# Altium PCB 400708.PcbDoc (part 1 of 4) (continued)
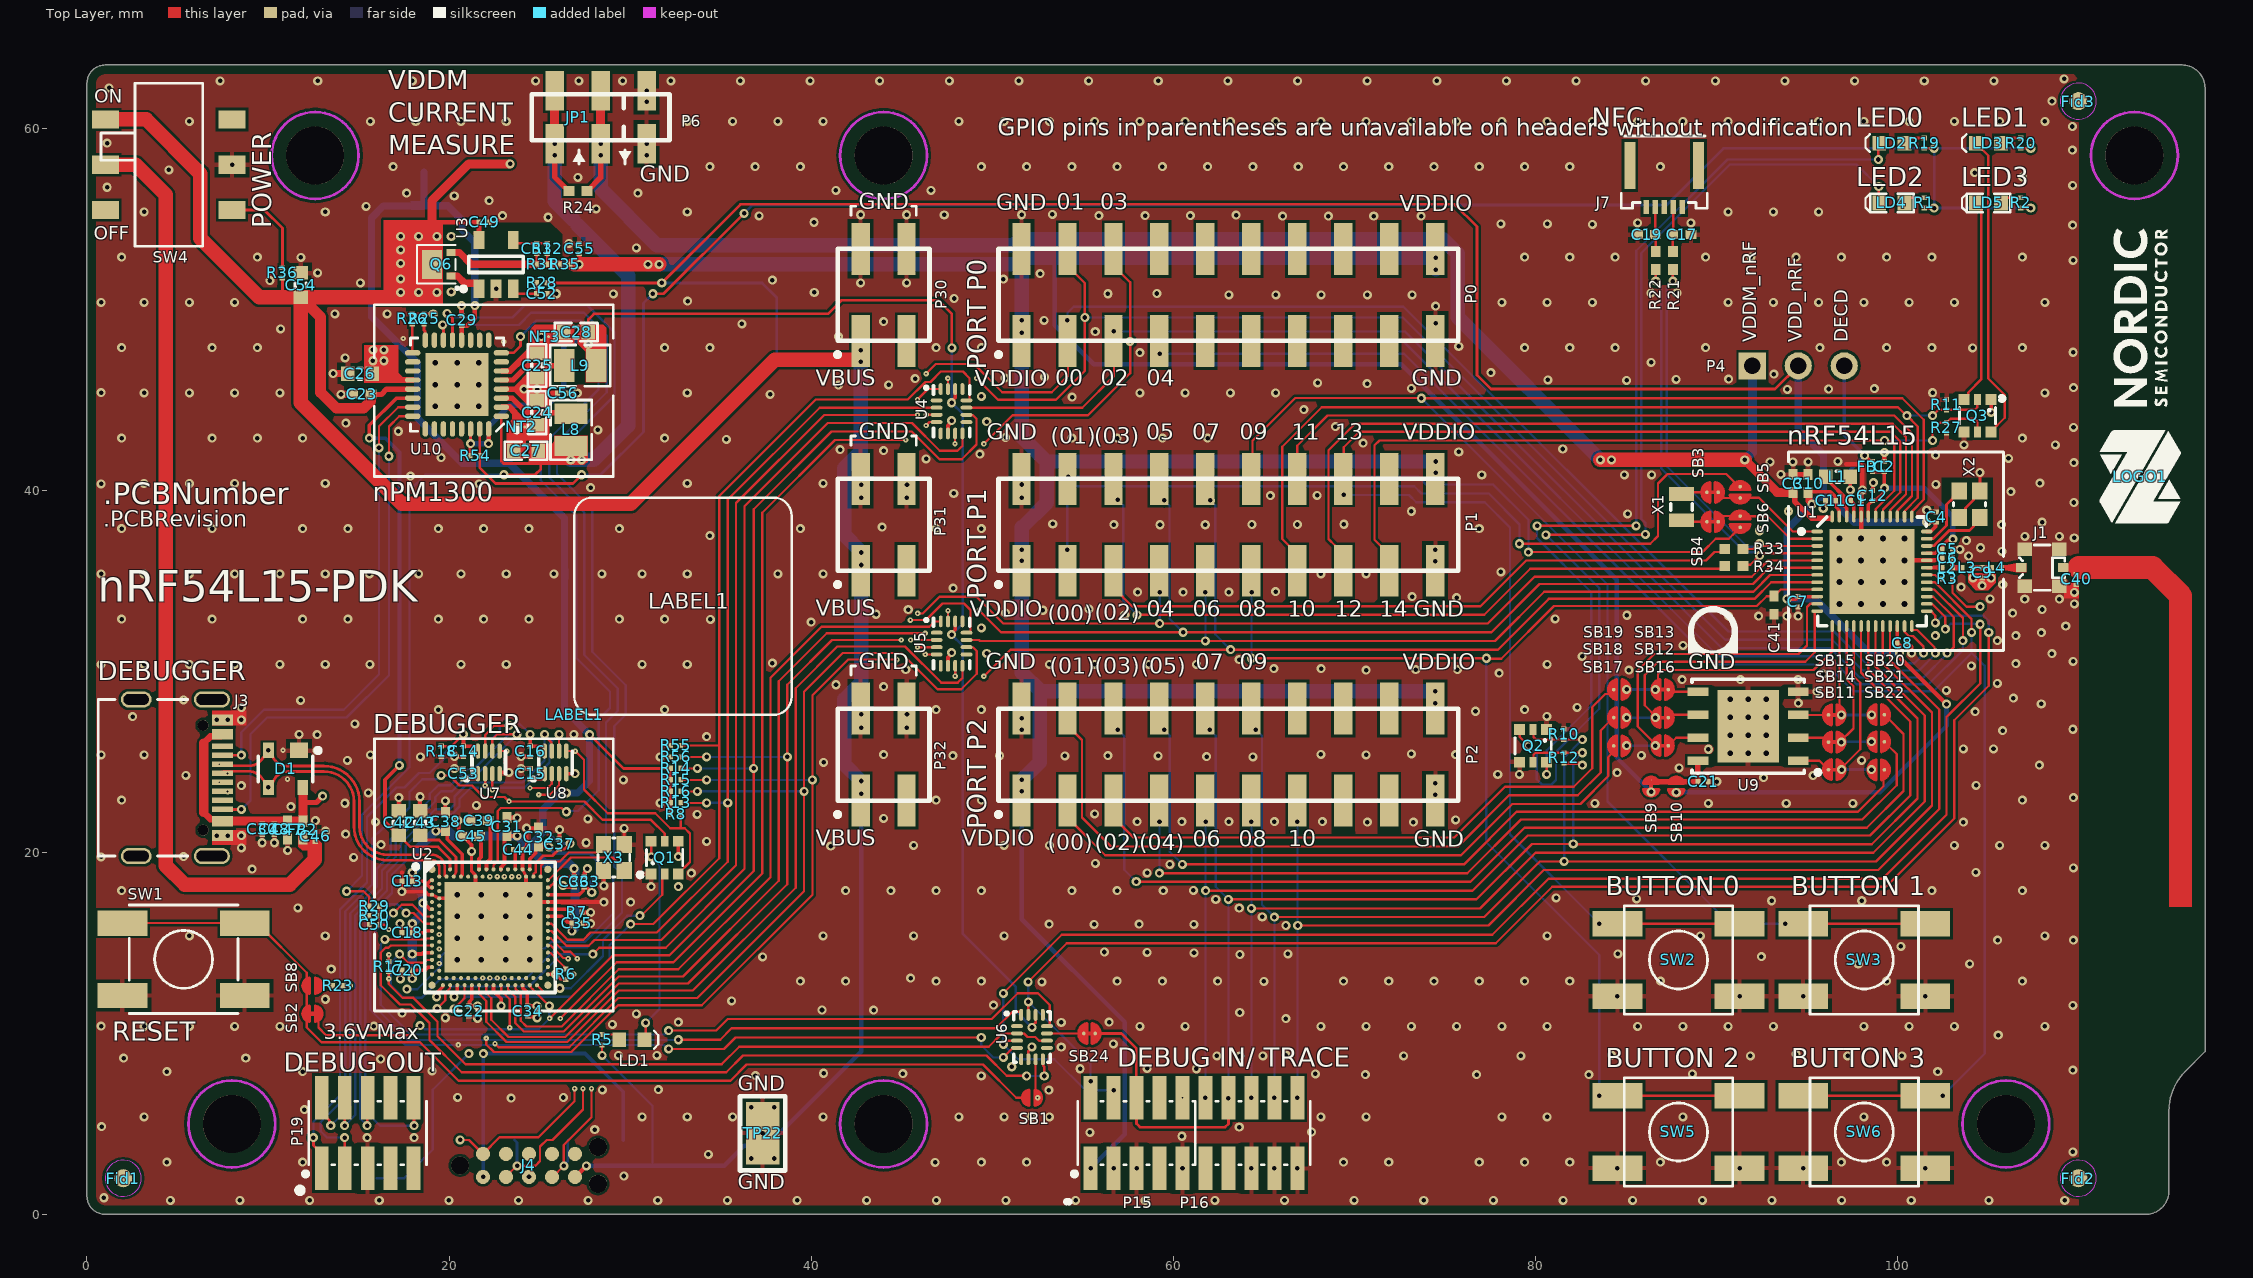
[diagram p0: Top Layer view]
## Design rules (kind name [scope] priority, off if disabled: settings) (continued)
SolderMaskExpansion SolderMaskExpansion_VIA [IsVia] p2: expansion=0.076 istentingtop=TRUE
SolderMaskExpansion [All] p3: expansion=0.076 istentingtop=FALSE
SupplyNets "Schematic Supply Nets_12" [InNet('P5V0')] p1: voltage=0.000
SupplyNets "Schematic Supply Nets_11" [InNet('GND')] p2: voltage=0.000
SupplyNets "Schematic Supply Nets_10" [InNet('VDDM_nRF')] p3: voltage=0.000
SupplyNets "Schematic Supply Nets_9" [InNet('VDDIO')] p4: voltage=0.000
SupplyNets "Schematic Supply Nets_8" [InNet('VDD_SWD0')] p5: voltage=0.000
SupplyNets "Schematic Supply Nets_7" [InNet('P3V3')] p6: voltage=0.000
SupplyNets "Schematic Supply Nets_6" [InNet('VDD_nRF')] p7: voltage=0.000
SupplyNets "Schematic Supply Nets_5" [InNet('VDD_DBGR')] p8: voltage=0.000
SupplyNets "Schematic Supply Nets_4" [InNet('PVSS2')] p9: voltage=0.000
SupplyNets "Schematic Supply Nets_3" [InNet('PVSS1')] p10: voltage=0.000
SupplyNets "Schematic Supply Nets_2" [InNet('VBUSOUT')] p11: voltage=0.000
SupplyNets "Schematic Supply Nets_1" [InNet('VDDM')] p12: voltage=0.000
SupplyNets "Schematic Supply Nets" [InNet('VBUS')] p13: voltage=0.000
Width Width_IMCU [OnTopLayer and HasFootprint('BGA144C35P12X12_450X420X100-A8-M3')] p1: maxlimit=2.5 minlimit=0.1 preferedwidth=0.15
Width [All] p2: maxlimit=2.5 minlimit=0.125 preferedwidth=0.15
15 further rules are at their usual default settings.

## Classes and differential pairs
differential pair class IMCU: DBGR
net class TRACE: P2.06 P2.07 P2.08 P2.09 P2.10
net class RF_50ohm: RF
net class IMCU_USB: DBGR_N DBGR_P
component class "Power supply": C23 C24 C25 C26 C27 C28 C29 C49 C51 C52 C55 C56 JP1 L8 L9 NT2 NT3 P6 Q6 R24 R25 R26 R28 R31 R32 R35 R54 TP8 TP9 TP10 TP11 TP12 TP13 TP14 TP15 U3 U10
component class "Levelshifters and switches": C14 C15 C16 C53 R8 R13 R14 R15 R16 R17 R18 R55 R56 SB24 U4 U5 U6 U7 U8
component class nRF54L15: C1 C2 C3 C4 C5 C6 C7 C8 C9 C10 C11 C12 C40 C41 FB1 J1 L1 L2 L3 L4 P4 R3 R33 R34 SB3 SB4 SB5 SB6 SB11 SB12 SB13 SB14 SB15 SB16 SB17 SB18 SB19 SB20 SB21 SB22 TP1 TP2 U1 X1 X2
component class Debugger: C13 C18 C20 C22 C31 C32 C33 C34 C35 C36 C37 C38 C39 C42 C43 C44 C45 C50 J4 LD1 NT4 Q1 R5 R6 R7 R29 R30 TP3 TP4 TP5 TP6 TP7 U2 X3
component class Misc: C17 C19 C21 LD2 LD3 LD4 LD5 Q2 Q3 R1 R2 R10 R11 R12 R19 R20 R21 R22 R23 R27 SB8 SB9 SB10 SW1 SW2 SW3 SW5 SW6 U9
component class Connectors: C30 C46 C47 C48 C54 D1 FB2 J3 J7 P0 P1 P2 P15 P16 P19 P30 P31 P32 R36 SW4 TP16 TP17 TP18 TP22
component class pca10156_sheet1_connections: Fid1 Fid2 Fid3 LABEL1 LOGO1 LOGO2 SB1 SB2
differential pair DBGR: +DBGR_P -DBGR_N

## Components (designator, comment, footprint, x,y, rotation, side; value= is the part's Value field where it differs from the comment)
C1 "2.2µF" CAPC0603X03L_C 97.72,39.439 r180 top
C2 "2.2µF" CAPC0603X03L_C 99.294,41.317 r270 top
C3 "10µF" CAPC1005X04L 94.239,40.377 r270 top
C4 "100nF" CAPC0603X03L_C 102.164,38.523 r90 top
C5 "18pF" CAPC0603X03L_C 102.773,36.745 r180 top
C6 "0.9pF" CAPC0603X03L_C 102.775,36.247 r0 top
C7 "100nF" CAPC0603X03L_C 94.518,33.849 r270 top
C8 "100nF" CAPC0603X03L_C 100.284,31.568 r0 top
C9 "0.6pF" CAPC0603X03L_C 104.688,35.445 r90 top
C10 "10µF" CAPC1005X04L 95.077,40.377 r270 top
C11 "100nF" CAPC0603X03L_C 96.322,39.437 r180 top
C12 "10nF" CAPC0603X03L_C 98.633,39.717 r90 top
C13 "100nF" CAPC0603X03L_C 17.689,18.401 r180 top
C14 "100nF" CAPC0603X03L_C 20.798,25.585 r270 top
C15 "100nF" CAPC0603X03L_C 24.481,24.349 r270 top
C16 "100nF" CAPC0603X03L_C 24.481,25.585 r270 top
C17 "300pF" CAPC1005X04L 88.104,54.123 r0 top
C18 "100nF" CAPC0603X03L_C 17.689,15.573 r180 top
C19 "300pF" CAPC1005X04L 86.152,54.123 r0 top
C20 "100nF" CAPC0603X03L_C 17.689,13.499 r180 top
C21 "100nF" CAPC0603X03L_C 89.275,23.902 r0 top
C22 "100nF" CAPC0603X03L_C 21.092,11.239 r270 top
C23 "2.2µF" CAPC1005X04L 15.184,45.313 r0 top
C24 "10µF" CAPC1608X06L 24.867,44.296 r90 top locked
C25 "10µF" CAPC1608X06L 24.867,46.896 r270 top locked
C26 "10µF" CAPC1608X06L 15.082,46.456 r0 top
C27 "10µF" CAPC1608X06L 24.249,42.186 r0 top locked
C28 "10µF" CAPC1608X06L 27.02,48.742 r0 top locked
C29 "100nF" CAPC0603X03L_C 20.699,49.386 r90 top
C30 "10nF" CAPC0603X03L_C 9.679,21.275 r270 top
C31 "1.0µF" CAPC1005X04L 23.2,21.424 r90 top
C32 "1.0µF" CAPC1005X04L 24.953,20.84 r270 top
C33 "2.2nF" CAPC0603X03L_C 27.459,18.376 r90 top
C34 "100nF" CAPC0603X03L_C 24.343,11.239 r270 top
C35 "100nF" CAPC0603X03L_C 27.068,16.078 r0 top
C36 "100nF" CAPC0603X03L_C 26.909,18.376 r270 top
C37 "100nF" CAPC0603X03L_C 26.096,20.459 r90 top
C38 "1.0µF" CAPC1005X04L 19.797,21.703 r270 top
C39 "1.0µF" CAPC1005X04L 21.651,21.754 r0 top
C40 "1.4pF" CAPC0603X03L_C 109.88,35.08 r90 top
C41 "100nF" CAPC1005X04L 93.186,33.655 r90 top
C42 "4.7µF" CAPC1608X06L 17.231,21.627 r90 top
C43 "4.7µF" CAPC1608X06L 18.4,21.627 r90 top
C44 "100nF" CAPC0603X03L_C 23.835,20.154 r0 top
C45 "1.0µF" CAPC1005X04L 21.194,20.891 r0 top
C46 "100nF" CAPC0603X03L_C 12.604,20.885 r270 top
C47 "1.0µF" CAPC1005X04L 11.079,21.25 r90 top
C48 "100nF" CAPC0603X03L_C 10.354,21.275 r90 top
C49 "100nF" CAPC0603X03L_C 21.934,54.811 r0 top
C50 "10nF" CAPC0603X03L_C 15.879,16.002 r180 top
C51 "TBD" CAPC0603X03L_C 24.849,53.361 r270 top
C52 "100nF" CAPC0603X03L_C 25.124,50.861 r0 top
C53 "100nF" CAPC0603X03L_C 20.798,24.349 r270 top
C54 "4.7µF" CAPC1608X06L 11.815,51.336 r90 top
C55 "100nF" CAPC0603X03L_C 27.187,53.361 r90 top
C56 "100nF" CAPC0603X03L_C 26.286,45.365 r180 top
D1 "PRTR5V0U2X" SOT190P230X110-4L 10.972,24.609 r270 top
FB1 "120R/0.2A" INDC0603X03L_C 98.633,41.317 r270 top
FB2 "120R/0.55A" INDC1005X04L 11.929,21.25 r270 top
Fid1 "Fiducial mark" Fiducial 2.004,2 r0 top value=N.A.
Fid2 "Fiducial mark" Fiducial 110.004,2 r0 top locked value=N.A.
Fid3 "Fiducial mark" Fiducial 110.004,61.5 r0 top locked value=N.A.
J1 "MM8130-2600" COAXIAL-SWF 108.005,35.73 r90 top locked
J3 "USB-C 2.0" SD-80259-001 5.104,24.125 r270 top locked
J4 "TC2050-IDC" TC2050-IDC-NLFP 24.418,2.709 r0 top locked
J7 "FPC 0.5mm RA SMD" FPC_05P-0.5mm-RA-SMD 88.129,55.654 r180 top locked
JP1 "Shunt 2.54mm" Shunt_2.54mm_Vertical 27.113,60.625 r180 top
L1 "4.7µH" INDC1608X06L 96.728,40.758 r180 top
L2 "1.6nH" INDC0603X03L_C 102.773,35.73 r0 top
L3 "3.5nH" INDC0603X03L_C 103.877,35.73 r0 top
L4 "1.2nH" INDC0603X03L_C 105.485,35.73 r0 top
L8 "2.2µH" INDC2016X10N 26.749,43.336 r90 top locked
L9 "2.2µH" INDC2016X10N 27.249,46.887 r180 top locked
LABEL1 "12x12mm" LabelSilk_12x12 26.925,27.6 r0 top
LD1 "L0603G" LED_0603_G 30.103,9.652 r180 top
LD2 "L0603G" LED_0603_G 99.709,59.182 r0 top
LD3 "L0603G" LED_0603_G 105.043,59.182 r0 top
LD4 "L0603G" LED_0603_G 99.709,55.88 r0 top locked
LD5 "L0603G" LED_0603_G 105.043,55.88 r0 top locked
LOGO1 "Nordic Logo" NORDIC_LOGO_LYING 113.429,40.75 r90 top
LOGO2 "WEE Symbol" WEE_3x4.5mm 2.425,58.1 r0 bottom
NT2 "Net tie" "2 PIN STARPOINT" 23.983,43.502 r180 top net-tie
NT3 "Net tie" "2 PIN STARPOINT" 25.295,48.496 r180 top net-tie
NT4 "N.A." "2 pin starpoint 20mil" 18.241,55.733 r180 bottom net-tie
P0 "Pin Hdr 2x10" HDR_2x10-SMD 63.054,50.8 r0 top locked
P1 "Pin Hdr 2x10" HDR_2x10-SMD 63.054,38.1 r0 top locked
P2 "Pin Hdr 2x10" HDR_2x10-SMD 63.054,25.4 r0 top locked
P4 "Pin List 1x3" LIST_1x3 94.535,46.88 r0 top locked
P6 "Pin List 1x3" LIST_1x3_SMD 30.912,60.606 r180 top locked
P15 "Pin Header 2x5, 1.27mm" HDR_2x5-SMD-1.27mm-K 57.978,4.5 r0 top locked
P16 "Pin Header 2x10, 1.27mm" HDR_2x10-SMD-1.27mm-NC 61.153,4.5 r0 top locked
P19 "Pin Header 2x5, 1.27mm" HDR_2x5-SMD-1.27mm-K 15.504,4.5 r0 top locked
P30 "Pin Header 2x2 SMD" HDR_2x2-SMD 44.004,50.8 r0 top locked
P31 "Pin Header 2x2 SMD" HDR_2x2-SMD 44.004,38.1 r0 top locked
P32 "Pin Header 2x2 SMD" HDR_2x2-SMD 44.004,25.4 r0 top locked
Q1 "NX138AKS" TSSOP6 31.915,19.715 r0 top
Q2 "NX138AKS" TSSOP6 79.884,25.885 r180 top
Q3 "NX138AKS" TSSOP6 104.435,44.13 r180 top
Q6 "PBSS4330PA" DFN105P200X65-3N_v2 19.299,52.486 r180 top locked
R1 "220R" RESC0603X03L_C 101.487,55.88 r270 top
R2 "220R" RESC0603X03L_C 106.821,55.88 r270 top
R3 "4k7" RESC0603X03L_C 102.775,35.125 r0 top
R5 "560R" RESC0603X03L_C 28.452,9.652 r270 top
R6 "100k" RESC0603X03L_C 26.46,13.271 r270 top
R7 "47R" RESC0603X03L_C 27.06,16.687 r0 top
R8 "100k" RESC0603X03L_C 32.516,22.098 r180 top
R10 "1M0" RESC0603X03L_C 81.585,26.524 r90 top
R11 "1M0" RESC0603X03L_C 102.723,44.734 r90 top
R12 "1M0" RESC0603X03L_C 81.592,25.221 r270 top
R13 "100k" RESC0603X03L_C 32.516,22.733 r0 top
R14 "100k" RESC0603X03L_C 32.516,24.638 r0 top
R15 "100k" RESC0603X03L_C 32.516,24.003 r0 top
R16 "100k" RESC0603X03L_C 32.516,23.368 r0 top
R17 "100k" RESC0603X03L_C 16.668,13.696 r270 top
R18 "1M0" RESC0603X03L_C 19.573,25.585 r90 top
R19 "220R" RESC0603X03L_C 101.487,59.182 r270 top
R20 "220R" RESC0603X03L_C 106.821,59.182 r270 top
R21 "0R" RESC1005X04L 87.604,52.704 r90 top
R22 "0R" RESC1005X04L 86.661,52.704 r90 top
R23 "100k" RESC0603X03L_C 13.854,12.634 r0 top
R24 "TBD" RESC1005X04L 27.125,56.55 r180 top
R25 "270k" RESC0603X03L_C 18.619,49.468 r90 top
R26 "47k" RESC0603X03L_C 17.973,49.468 r90 top
R27 "1M0" RESC0603X03L_C 102.723,43.455 r270 top
R28 "33k" RESC0603X03L_C 25.124,51.461 r180 top
R29 "18k" RESC0603X03L_C 15.879,17.018 r180 top
R30 "18k" RESC0603X03L_C 15.879,16.51 r0 top
R31 "0R" RESC0603X03L_C 25.124,52.486 r0 top
R32 "0R" RESC0603X03L_C 25.424,53.361 r270 top
R33 "0R" RESC1005X04L 90.974,36.755 r180 top
R34 "0R" RESC1005X04L 90.974,35.83 r180 top
R35 "0R" RESC0603X03L_C 26.399,52.486 r0 top
R36 "1k" RESC0603X03L_C 10.799,52.011 r270 top
R54 "0R" RESC0603X03L_C 21.449,41.911 r180 top
R55 "100k" RESC0603X03L_C 32.516,25.908 r180 top
R56 "100k" RESC0603X03L_C 32.516,25.273 r180 top
SB1 "Solderbridge" Solderbridge 52.205,6.45 r180 top
SB2 "Solderbridge" Solderbridge_Shorted 12.45,11.089 r0 top net-tie
SB3 "Solderbridge" Solderbridge_SHORTED_0.4 89.8,39.893 r180 top net-tie
SB4 "Solderbridge" Solderbridge_SHORTED_0.4 89.8,38.267 r180 top net-tie
SB5 "Solderbridge" Solderbridge_0.4 91.324,39.893 r90 top
SB6 "Solderbridge" Solderbridge_0.4 91.324,38.267 r270 top
SB8 "Solderbridge" Solderbridge 12.45,12.635 r0 top
SB9 "Solderbridge" Solderbridge_Shorted 86.405,23.648 r90 top net-tie
SB10 "Solderbridge" Solderbridge 87.793,23.638 r90 top
SB11 "Solderbridge" Solderbridge_SHORTED_0.4 96.516,24.571 r180 top net-tie
SB12 "Solderbridge" Solderbridge_SHORTED_0.4 87.041,27.446 r0 top net-tie
SB13 "Solderbridge" Solderbridge_SHORTED_0.4 87.041,28.996 r0 top net-tie
SB14 "Solderbridge" Solderbridge_SHORTED_0.4 96.516,26.096 r180 top net-tie
SB15 "Solderbridge" Solderbridge_SHORTED_0.4 96.516,27.596 r180 top net-tie
SB16 "Solderbridge" Solderbridge_SHORTED_0.4 87.041,25.896 r0 top net-tie
SB17 "Solderbridge" Solderbridge_0.4 84.652,25.884 r0 top
SB18 "Solderbridge" Solderbridge_0.4 84.652,27.453 r0 top
SB19 "Solderbridge" Solderbridge_0.4 84.652,28.996 r0 top
SB20 "Solderbridge" Solderbridge_0.4 98.978,27.61 r180 top
SB21 "Solderbridge" Solderbridge_0.4 98.978,26.111 r180 top
SB22 "Solderbridge" Solderbridge_0.4 98.978,24.562 r180 top
SB24 "Solderbridge" Solderbridge_SHORTED_0.4 55.379,9.998 r0 top net-tie
SW1 "PB SW" Switch-PB-6.2x6.3mm-SMD 5.338,14.097 r180 top
SW2 "PB SW" Switch-PB-6.2x6.3mm-SMD 87.918,14.058 r180 top locked
SW3 "PB SW" Switch-PB-6.2x6.3mm-SMD 98.179,14.058 r180 top locked
SW4 "MK-22D14-G2" MK-22D14-G2 4.521,57.988 r270 top locked
SW5 "PB SW" Switch-PB-6.2x6.3mm-SMD 87.918,4.558 r180 top locked
SW6 "PB SW" Switch-PB-6.2x6.3mm-SMD 98.179,4.558 r180 top locked
TP1 "Ø1.5mm,SMD" TP_SMD_D1.5mm 38.104,47.219 r90 bottom locked
TP2 "Ø1.5mm,SMD" TP_SMD_D1.5mm 100.339,40.093 r180 bottom locked
TP3 "Ø1.5mm,SMD" TP_SMD_D1.5mm 29.62,4.115 r180 bottom locked
TP4 "Ø1.5mm,SMD" TP_SMD_D1.5mm 20.616,4.115 r180 bottom locked
TP5 "Ø1.5mm,SMD" TP_SMD_D1.5mm 23.616,4.115 r180 bottom locked
TP6 "Ø1.5mm,SMD" TP_SMD_D1.5mm 26.616,4.115 r180 bottom locked
TP7 "Ø1.5mm,SMD" TP_SMD_D1.5mm 16.004,2 r90 bottom locked
TP8 "Ø1.5mm,SMD" TP_SMD_D1.5mm 23.372,58.039 r270 bottom locked
TP9 "Ø1.5mm,SMD" TP_SMD_D1.5mm 26.877,54.915 r270 bottom locked
TP10 "Ø1.5mm,SMD" TP_SMD_D1.5mm 26.334,48.26 r180 bottom locked
TP11 "Ø1.5mm,SMD" TP_SMD_D1.5mm 18.622,57.582 r0 bottom locked
TP12 "Ø1.5mm,SMD" TP_SMD_D1.5mm 10.693,48.92 r90 bottom locked
TP13 "Ø1.5mm,SMD" TP_SMD_D1.5mm 45.496,13.056 r90 bottom locked
TP14 "Ø1.5mm,SMD" TP_SMD_D1.5mm 9.25,31.75 r90 bottom locked
TP15 "Ø1.5mm,SMD" TP_SMD_D1.5mm 36.174,49.2 r90 bottom locked
TP16 "Ø1.5mm,SMD" TP_SMD_D1.5mm 13.263,23.571 r180 bottom locked
TP17 "Ø1.5mm,SMD" TP_SMD_D1.5mm 10.24,26.115 r180 bottom locked
TP18 "Ø1.5mm,SMD" TP_SMD_D1.5mm 10.24,23.113 r180 bottom locked
TP22 "TP" S1751 37.323,4.494 r270 top locked
U1 "nRF54L15-QFAABB0" QFN40P600X600X90-48N 98.605,35.53 r0 top locked
U2 "nRF5340-QKAA" AQFN40P700X700X85_HS-99N 22.26,15.864 r0 top locked
U3 "TLV271" SOT95P280X145-5N 22.599,52.486 r90 top locked
U4 "FSA2466UMX" XQFN40P180X260X50-16N 47.76,44.371 r0 top
U5 "FSA2466UMX" XQFN40P180X260X50-16N 47.764,31.536 r0 top
U6 "FSA2466UMX" XQFN40P180X260X50-16N 52.204,9.8 r0 top locked
U7 "TXB0302" XFDFN40P180X120X40-8M 22.195,24.974 r90 top locked
U8 "TXB0302" XFDFN40P180X120X40-8M 25.878,24.974 r90 top locked
U9 "MX25R6435F" SON127P600X80_HS-9N 91.766,26.971 r180 top locked
U10 "nPM1300-QEAAC0" Nordic_QFN50P500X500X90-33N 20.442,45.846 r180 top locked
X1 "32.768kHz" XTAL_2012 88.081,39.074 r90 top
X2 "32MHz" BT-XTAL_2016 103.993,39.234 r90 top
X3 "32MHz" BT-XTAL_2016 29.106,19.719 r90 top locked

## Footprints (in the part's own frame and the unit in brackets; to place one, negate y for a bottom-side part, rotate by r counter-clockwise, add the part's x,y. Pads: shape width x height; smd on the part's side, far side on the other; paste and mask are expansions set on the pad)
"2 PIN STARPOINT" [mil]
  round 6 smd paste-196.85 mask-196.85: 1(8,0) 2(-8,0)
  Top Layer region: -8,-3 8,-3 8,3 -8,3
"2 pin starpoint 20mil" [mil]
  round 20 smd paste-196.85 mask-196.85: 1(15,0) 2(-15,0)
  Top Layer region: -15,10 15,10 15,-10 -15,-10
AQFN40P700X700X85_HS-99N [mm] "AQFN, 98-Leads, Body 7.00x7.00mm, Pitch 0.40mm, Thermal Pad 5.4x5.0mm, IPC Medium Density"
  rect 5.4x5 smd paste-5: 104(0.2,0)
  round 0.4 smd paste+0.012: A1(-3.2,3.2) A31(3.2,3.2) AL1(-3.2,-3.2) AL31(3.2,-3.2)
  round 0.225 smd paste+0.012: A5(-2.2,3.2) A13(-0.6,3.2) A15(-0.2,3.2) A17(0.2,3.2) A19(0.6,3.2) A21(1,3.2) A23(1.4,3.2) A25(1.8,3.2) A27(2.2,3.2) AA1(-3.2,-1) AA31(3.2,-1) AB2(-2.8,-1.2) AC1(-3.2,-1.4) AC31(3.2,-1.4) AD2(-2.8,-1.6) AE1(-3.2,-1.8) AE31(3.2,-1.8) AF2(-2.8,-2) AG1(-3.2,-2.2) AG31(3.2,-2.2) AH2(-2.8,-2.4) AJ1(-3.2,-2.6) AJ31(3.2,-2.6) AK2(-2.8,-2.8) AK4(-2.4,-2.8) AK6(-2,-2.8) AK8(-1.6,-2.8) AK10(-1.2,-2.8) AK12(-0.8,-2.8) AK14(-0.4,-2.8) AK16(0,-2.8) AK18(0.4,-2.8) AK20(0.8,-2.8) AK22(1.2,-2.8) AK24(1.6,-2.8) AK26(2,-2.8) AK28(2.4,-2.8) AK30(2.8,-2.8) AL3(-2.6,-3.2) AL5(-2.2,-3.2) AL7(-1.8,-3.2) AL9(-1.4,-3.2) AL11(-1,-3.2) AL13(-0.6,-3.2) AL15(-0.2,-3.2) AL17(0.2,-3.2) AL19(0.6,-3.2) AL21(1,-3.2) AL23(1.4,-3.2) AL25(1.8,-3.2) AL27(2.2,-3.2) AL29(2.6,-3.2) B2(-2.8,2.8) B4(-2.4,2.8) B6(-2,2.8) B8(-1.6,2.8) B10(-1.2,2.8) B12(-0.8,2.8) B14(-0.4,2.8) B16(0,2.8) B18(0.4,2.8) B20(0.8,2.8) B22(1.2,2.8) B24(1.6,2.8) B26(2,2.8) B28(2.4,2.8) B30(2.8,2.8) C1(-3.2,2.6) C31(3.2,2.6) D2(-2.8,2.4) E1(-3.2,2.2) E31(3.2,2.2) F2(-2.8,2) G1(-3.2,1.8) G31(3.2,1.8) H2(-2.8,1.6) J1(-3.2,1.4) J31(3.2,1.4) K2(-2.8,1.2) L1(-3.2,1) L31(3.2,1) M2(-2.8,0.8) N1(-3.2,0.6) N31(3.2,0.6) P2(-2.8,0.4) R1(-3.2,0.2) R31(3.2,0.2) T2(-2.8,0) U1(-3.2,-0.2) U31(3.2,-0.2) V2(-2.8,-0.4) W1(-3.2,-0.6) W31(3.2,-0.6) Y2(-2.8,-0.8)
  rrect15% 1.1x1 on Top Paste: ""(-1.75,-1.8) ""(-1.75,-0.6) ""(-1.75,0.6) ""(-1.75,1.8) ""(-0.45,-1.8) ""(-0.45,-0.6) ""(-0.45,0.6) ""(-0.45,1.8) ""(0.85,-1.8) ""(0.85,-0.6) ""(0.85,0.6) ""(0.85,1.8) ""(2.15,-1.8) ""(2.15,-0.6) ""(2.15,0.6) ""(2.15,1.8)
  silkscreen extent -4.22,-3.6 3.6,3.6, body extent -3.5,-3.5 3.5,3.5, height 0.85
BT-XTAL_2016 [mm] "Crystal 2.0 x 1.6 mm"
  rect 0.95x0.85 smd: 1(-0.725,-0.575) 2(0.725,-0.575) 3(0.725,0.575) 4(-0.725,0.575)
  silkscreen extent -0.1,-0.88 0.1,0.88, body extent -1.05,-0.85 1.05,0.85, height 0.56
CAPC0603X03L_C [mm] "Chip Capacitor, 2-Leads, Body 0.6x0.3mm, IPC High Density"
  rect 0.27x0.3 smd mask+0.05: 1(-0.285,0) 2(0.285,0)
  body extent -0.3,-0.15 0.3,0.15, height 0.3
CAPC1005X04L [mm] "Chip Capacitor, 2-Leads, Body 1.0x0.5mm, IPC High Density"
  rect 0.6x0.5 smd: 1(-0.5,0) 2(0.5,0)
  body extent -0.5,-0.25 0.5,0.25, height 0.5
CAPC1608X06L [mm] "Chip Capacitor, 2-Leads, Body 1.6x0.8mm, IPC High Density"
  rect 0.75x0.8 smd: 1(-0.675,0) 2(0.675,0)
  silkscreen extent -1.17,-0.5 1.17,0.5, body extent -0.8,-0.4 0.8,0.4, height 0.8
COAXIAL-SWF [mm]
  rect 0.5x0.58 smd: 1(0,1.16) 3(0,-1.16)
  rect 0.75x0.8 smd: 2(-1.025,-0.95) 2(-1.025,0.95) 2(1.025,-0.95) 2(1.025,0.95)
  Top Layer pour cut-out: 0.65,-0.55 -0.65,-0.55 -0.65,-1.35 0.65,-1.35
  Top Layer pour cut-out: -0.65,0.55 0.65,0.55 0.65,1.35 -0.65,1.35
  silkscreen extent -1.25,-1.25 1.25,1.25, body extent -1.26,-1.3 1.26,1.3, height 1.55
DFN105P200X65-3N_v2 [mm] "DFN, 3-Leads, Body 2.00x2.00mm, Pitch 1.05mm, IPC Medium Density"
  rect 0.5x0.4 smd: 1(-0.8,0.65) 2(-0.8,-0.65)
  rect 1.1x1.6 smd: 3(0.25,0)
  Top Layer region: 0.65,-0.2 1.05,-0.2 1.05,0.2 0.65,0.2
  silkscreen extent -1.2,-1.06 1.06,1.36, body extent -1,-1 1,1, height 0.65
Fiducial [mm] "Fiducial Mark"
  round 1 smd paste-2539.97 mask+0.5: 0(0,0)
  round 1 smd far side paste-2539.97 mask+0.5: 0(0,0)
  Top Layer keep-out circle w0.01: c0,0 r1
  Bottom Layer keep-out circle w0.01: c0,0 r1
FPC_05P-0.5mm-RA-SMD [mm] "FPC, 5-Leads, Pitch 0,5mm"
  rect 0.6x2.6 smd: 0(-0.9,-2.3) 0(2.9,-2.3)
  rect 0.3x0.8 smd mask+0.05: 1(0,0) 2(0.5,0) 3(1,0) 4(1.5,0) 5(2,0)
  silkscreen extent -1.38,-3.93 3.38,0.08, body extent -1.3,-3.85 3.3,0.2, height 1.2
HDR_2x2-SMD [mil] "Board-Board Conn, Header, 4-way, 2-row"
  rect 40x113 smd: 1(-50,-100) 2(-50,100) 3(50,-100) 4(50,100)
  silkscreen extent -105,-135 100,100, body extent -100,-148 100,148, height 382
HDR_2x5-SMD-1.27mm-K [mm] "SMT MICRO HEADER, (1,27) .050\" Keying Shroud"
  rect 0.76x2.4 smd: 1(-2.54,-1.95) 2(-2.54,1.95) 3(-1.27,-1.95) 4(-1.27,1.95) 5(0,-1.95) 6(0,1.95) 7(1.27,-1.95) 8(1.27,1.95) 9(2.54,-1.95) 10(2.54,1.95)
  silkscreen extent -3.56,-2.38 3.25,1.75, body extent -3.14,-2.92 3.14,2.92, height 6.11
HDR_2x10-SMD [mil] "Board-Board Conn, Header, 20-way, 2-row"
  rect 40x113 smd: 1(-450,-100) 2(-450,100) 3(-350,-100) 4(-350,100) 5(-250,-100) 6(-250,100) 7(-150,-100) 8(-150,100) 9(-50,-100) 10(-50,100) 11(50,-100) 12(50,100) 13(150,-100) 14(150,100) 15(250,-100) 16(250,100) 17(350,-100) 18(350,100) 19(450,-100) 20(450,100)
  silkscreen extent -505,-135 500,100, body extent -500,-148 500,148, height 382
HDR_2x10-SMD-1.27mm-NC [mm] "SMT MICRO HEADER, (1,27) .050\""
  rect 0.76x2.4 smd: 1(-5.715,-1.95) 2(-5.715,1.95) 3(-4.445,-1.95) 4(-4.445,1.95) 5(-3.175,-1.95) 6(-3.175,1.95) 7(-1.905,-1.95) 8(-1.905,1.95) 9(-0.635,-1.95) 10(-0.635,1.95) 11(0.635,-1.95) 12(0.635,1.95) 13(1.905,-1.95) 14(1.905,1.95) 15(3.175,-1.95) 16(3.175,1.95) 17(4.445,-1.95) 18(4.445,1.95) 19(5.715,-1.95) 20(5.715,1.95)
  silkscreen extent -6.73,-2.38 6.43,1.75
INDC0603X03L_C [mm] "Chip Inductor, 2-Leads, Body 0.6x0.3mm, IPC High Density"
  rect 0.27x0.3 smd: 1(-0.285,0) 2(0.285,0)
  body extent -0.3,-0.15 0.3,0.15, height 0.3
INDC1005X04L [mm] "Chip Inductor, 2-Leads, Body 1.0x0.5mm, IPC High Density"
  rect 0.65x0.5 smd: 1(-0.475,0) 2(0.475,0)
  body extent -0.5,-0.25 0.5,0.25, height 0.5
INDC1608X06L [mm] "Chip Inductor, 2-Leads, Body 1.6x0.8mm, IPC High Density"
  rect 0.75x0.8 smd: 1(-0.675,0) 2(0.675,0)
  silkscreen extent -0.1,-0.3 0.1,0.3, body extent -0.8,-0.4 0.8,0.4, height 0.8
INDC2016X10N [mm] "Chip Inductor, 2-Leads, Body 2.00x1.60mm, IPC Medium Density"
  rect 1.13x1.82 smd: 1(-0.885,0) 2(0.885,0)
  silkscreen extent -1.65,-1.14 1.65,1.14, body extent -1,-0.8 1,0.8, height 1
LabelSilk_12x12 [mm] "PCA version label, stick-on, 12x12mm"
  silkscreen extent 0,0 12,12, body extent 0,0 12,12, height 0.05
LED_0603_G [mil] "SMD Super Bright LED, GREEN"
  rect 30x32 smd: 1(-27.5,0) 2(27.5,0)
  silkscreen extent -58,-20 -48,19, body extent -32,-16 32,16, height 24
LIST_1x3 [mm] "Pin List, 2.54mm through hole"
  rect 1.5x1.5 hole 0.9: 1(-2.54,0)
  round 1.5 hole 0.9: 2(0,0) 3(2.54,0)
  body extent -3.81,-1.27 3.71,1.23, height 8.2
LIST_1x3_SMD [mm] "Pin List, 2.54mm, SMD"
  rect 1.02x2.19 smd: 1(0,1.465) 1(0,-1.465) 2(2.54,-1.465) 2(2.54,1.465) 3(5.08,-1.465) 3(5.08,1.465)
  silkscreen extent -1.27,-1.27 6.35,1.27, body extent -1.27,-2.5 6.35,2.5, height 9.82
MK-22D14-G2 [mm] "Slide Switches - DPDT, SMD, ON-ON"
  rect 1x1.5 smd: 1(2.5,-3.5) 2(0,-3.5) 3(-2.5,-3.5) 4(2.5,3.5) 5(0,3.5) 6(-2.5,3.5)
  silkscreen extent -4.5,-3.75 4.5,1.88, body extent -4.5,-3.72 4.5,3.78, height 3.47
NORDIC_LOGO_LYING [mm]
  silkscreen extent -2.57,-2.24 13.7,2.24
Nordic_QFN50P500X500X90-33N [mm] "QFN32 5x5x0.85mm, 0.5mm pitch - Medium Density"
  oval 0.85x0.3 smd: 1(-2.45,1.75) 2(-2.45,1.25) 3(-2.45,0.75) 4(-2.45,0.25) 5(-2.45,-0.25) 6(-2.45,-0.75) 7(-2.45,-1.25) 8(-2.45,-1.75) 17(2.45,-1.75) 18(2.45,-1.25) 19(2.45,-0.75) 20(2.45,-0.25) 21(2.45,0.25) 22(2.45,0.75) 23(2.45,1.25) 24(2.45,1.75)
  oval 0.3x0.85 smd: 9(-1.75,-2.45) 10(-1.25,-2.45) 11(-0.75,-2.45) 12(-0.25,-2.45) 13(0.25,-2.45) 14(0.75,-2.45) 15(1.25,-2.45) 16(1.75,-2.45) 25(1.75,2.45) 26(1.25,2.45) 27(0.75,2.45) 28(0.25,2.45) 29(-0.25,2.45) 30(-0.75,2.45) 31(-1.25,2.45) 32(-1.75,2.45)
  rect 3.5x3.5 smd: 33(0,0)
  silkscreen extent -3.43,-2.57 2.57,2.62, body extent -2.5,-2.5 2.5,2.5, height 0.9
QFN40P600X600X90-48N [mm] "QFN, 48-Leads, Body 6,0x6,0mm (max), Pitch 0,40mm, IPC Medium Density"
  oval 0.65x0.2 smd mask+0.05: 1(-3.025,2.2) 2(-3.025,1.8) 3(-3.025,1.4) 4(-3.025,1) 5(-3.025,0.6) 6(-3.025,0.2) 7(-3.025,-0.2) 8(-3.025,-0.6) 9(-3.025,-1) 10(-3.025,-1.4) 11(-3.025,-1.8) 12(-3.025,-2.2) 25(3.025,-2.2) 26(3.025,-1.8) 27(3.025,-1.4) 28(3.025,-1) 29(3.025,-0.6) 30(3.025,-0.2) 31(3.025,0.2) 32(3.025,0.6) 33(3.025,1) 34(3.025,1.4) 35(3.025,1.8) 36(3.025,2.2)
  oval 0.2x0.65 smd mask+0.05: 13(-2.2,-3.025) 14(-1.8,-3.025) 15(-1.4,-3.025) 16(-1,-3.025) 17(-0.6,-3.025) 18(-0.2,-3.025) 19(0.2,-3.025) 20(0.6,-3.025) 21(1,-3.025) 22(1.4,-3.025) 23(1.8,-3.025) 24(2.2,-3.025) 37(2.2,3.025) 38(1.8,3.025) 39(1.4,3.025) 40(1,3.025) 41(0.6,3.025) 42(0.2,3.025) 43(-0.2,3.025) 44(-0.6,3.025) 45(-1,3.025) 46(-1.4,3.025) 47(-1.8,3.025) 48(-2.2,3.025)
  rect 4.7x4.7 smd: 49(0,0)
  silkscreen extent -4.02,-3 3,3, body extent -3.02,-3.02 3.02,3.02, height 0.86
RESC0603X03L_C [mm] "Chip Resistor, 2-Leads, Body 0.6x0.3mm, IPC High Density"
  rect 0.27x0.3 smd: 1(-0.285,0) 2(0.285,0)
  body extent -0.3,-0.15 0.3,0.15, height 0.23
RESC1005X04L [mm] "Chip Resistor, 2-Leads, Body 1.0x0.5mm, IPC High Density"
  rect 0.6x0.55 smd mask+0.05: 1(-0.5,0) 2(0.5,0)
  body extent -0.5,-0.25 0.5,0.25, height 0.3
S1751 [mm]
  rect 3.45x1.85 smd: 1(0,0)
  silkscreen extent -2.04,-1.25 2.06,1.25, body extent -1.67,-0.8 1.58,0.85, height 2.05
SD-80259-001 [mm] "USB TYPE C RECEPTACLE, 16 PIN"
  round 0.6 hole 0.6 unplated: 0(-2.89,1.315) 0(2.89,1.315)
  oval 0.9x2 hole 0.6 slot 1.7 at 90 deg: 13(-4.325,1.795) 13(4.325,1.795)
  oval 0.9x1.7 hole 0.6 slot 1.4 at 90 deg: 13(-4.325,-2.385) 13(4.325,-2.385)
  rect 0.6x1.14 smd: A1(-3.2,2.385) A4(-2.4,2.385) A9(2.4,2.385) A12(3.2,2.385)
  rect 0.3x1.14 smd: A5(-1.25,2.385) A6(-0.25,2.385) A7(0.25,2.385) A8(1.25,2.385) B5(1.75,2.385) B6(0.75,2.385) B7(-0.75,2.385) B8(-1.75,2.385)
  oval 0.9x2 on Top Paste: ""(-4.32,1.795) ""(4.32,1.795)
  oval 0.9x1.7 on Top Paste: ""(-4.32,-2.385) ""(4.32,-2.385)
  silkscreen extent -4.33,-4.48 4.33,0.47, body extent -4.48,-4.98 4.48,2.74, height 3.26
Shunt_2.54mm_Vertical [mm]
  body extent -2.51,-1.24 2.51,1.24, height 9
Solderbridge [mil]
  round 1 smd paste-99999: 1(-13.78,0) 2(13.78,0)
  Top Layer region: 7.49,-19.36 15.76,-15.74 21.55,-8.8 23.62,0 23.62,0 21.55,8.79 15.76,15.74 7.49,19.36 7.49,19.36 6.18,19.31 5.02,18.71 4.22,17.68 3.94,16.4 3.94,16.4 3.94,-16.4 4.22,-17.68 5.02,-18.71 6.18,-19.31 7.49,-19.36
  Top Layer region: -7.49,19.36 -15.76,15.74 -21.55,8.8 -23.62,0 -23.62,0 -21.55,-8.79 -15.76,-15.74 -7.49,-19.36 -7.49,-19.36 -6.18,-19.31 -5.02,-18.71 -4.22,-17.68 -3.94,-16.4 -3.94,-16.4 -3.94,16.4 -4.22,17.68 -5.02,18.71 -6.18,19.31 -7.49,19.36
Solderbridge_0.4 [mm]
  round 0.2 smd paste-10: 1(-0.312,0) 2(0.312,0)
  Top Layer region: 0.077,0.553 0.203,0.512 0.335,0.424 0.409,0.351 0.462,0.292 0.521,0.193 0.549,0.099 0.544,-0.122 0.518,-0.193 0.434,-0.33 0.351,-0.411 0.152,-0.536 0.077,-0.559
  Top Layer region: -0.077,-0.553 -0.129,-0.605 -0.205,-0.554 -0.409,-0.351 -0.462,-0.292 -0.521,-0.193 -0.549,-0.099 -0.544,0.122 -0.518,0.193 -0.434,0.33 -0.351,0.411 -0.259,0.469 -0.159,0.556 -0.08,0.565
  Top Layer lines w0.152: -0.156,0.557 ccw(c-0.035,0) -0.153,-0.558 ; 0.153,0.557 cw(c0.03,0) 0.153,-0.557
Solderbridge_Shorted [mil]
  round 1 smd paste-99999: 1(-13.78,0) 2(13.78,0)
  Top Layer region: -4.92,3.94 -4.92,-3.94 4.92,-3.94 4.92,3.94
  Top Layer region: -7.49,19.36 -15.76,15.74 -21.55,8.8 -23.62,0 -23.62,0 -21.55,-8.79 -15.76,-15.74 -7.49,-19.36 -7.49,-19.36 -6.18,-19.31 -5.02,-18.71 -4.22,-17.68 -3.94,-16.4 -3.94,-16.4 -3.94,16.4 -4.22,17.68 -5.02,18.71 -6.18,19.31 -7.49,19.36
  Top Layer region: 7.49,-19.36 15.76,-15.74 21.55,-8.8 23.62,0 23.62,0 21.55,8.79 15.76,15.74 7.49,19.36 7.49,19.36 6.18,19.31 5.02,18.71 4.22,17.68 3.94,16.4 3.94,16.4 3.94,-16.4 4.22,-17.68 5.02,-18.71 6.18,-19.31 7.49,-19.36
Solderbridge_SHORTED_0.4 [mm]
  round 0.2 smd paste-10: 1(-0.312,0) 2(0.312,0)
  Top Layer region: -0.077,-0.553 -0.129,-0.605 -0.205,-0.554 -0.409,-0.351 -0.462,-0.292 -0.521,-0.193 -0.549,-0.099 -0.544,0.122 -0.518,0.193 -0.434,0.33 -0.351,0.411 -0.259,0.469 -0.159,0.556 -0.08,0.565
  Top Layer region: 0.077,0.553 0.203,0.512 0.335,0.424 0.409,0.351 0.462,0.292 0.521,0.193 0.549,0.099 0.544,-0.122 0.518,-0.193 0.434,-0.33 0.351,-0.411 0.152,-0.536 0.077,-0.559
  Top Layer lines w0.152: 0.153,0.557 cw(c0.03,0) 0.153,-0.557 ; -0.153,-0.558 cw(c-0.035,0) -0.156,0.557
  Top Layer lines w0.203: 0.363,0 -0.312,0
SON127P600X80_HS-9N [mm] "SON, 8-Leads, Body 5.00x6.00mm, Pitch 1.27mm, Thermal Pad 4.00x3.40mm, IPC Medium Density"
  rect 1.15x0.45 smd: 1(-2.77,1.905) 2(-2.77,0.635) 3(-2.77,-0.635) 4(-2.77,-1.905) 5(2.77,-1.905) 6(2.77,-0.635) 7(2.77,0.635) 8(2.77,1.905)
  rect 3.4x4 smd paste-1.7: 9(0,0)
  silkscreen extent -3.98,-2.6 3.1,2.67, body extent -3.05,-2.55 3.05,2.55, height 0.8
SOT95P280X145-5N [mm] "SOT23, 5-Leads, Body 2,90x2,80mm, Pitch 0,95mm, IPC Medium Density"
  rect 1x0.6 smd: 1(-1.35,0.95) 2(-1.35,0) 3(-1.35,-0.95) 4(1.35,-0.95) 5(1.35,0.95)
  silkscreen extent -1.47,-1.5 0.45,1.92, body extent -1.5,-1.55 1.5,1.55, height 1.45
SOT190P230X110-4L [mm] "SOT143, 4-Leads, Body 3.0x2.5mm (max), Pitch 1.90mm, IPC High Density"
  rect 0.85x1 smd: 1(-1.025,0.75)
  rect 0.85x0.6 smd: 2(-1.025,-0.95) 3(1.025,-0.95) 4(1.025,0.95)
  silkscreen extent -1.15,-1.5 0.7,1.93, body extent -1.21,-1.46 1.21,1.46, height 1
Switch-PB-6.2x6.3mm-SMD [mm] "6.2×6.5mm TACT Switch, without ground connector"
  rect 2.75x1.4 smd: 1(-3.375,2) 1(3.375,2) 2(-3.375,-2) 2(3.375,-2)
  silkscreen extent -3,-3 3,3, body extent -3.6,-3.1 3.6,3.1, height 2.5
TC2050-IDC-NLFP [mil]
  round 39 hole 39 unplated: 0(-150,0) 0(150,-40) 0(150,40)
  round 31 smd paste-196.85: 1(-100,-25) 2(-50,-25) 3(0,-25) 4(50,-25) 5(100,-25) 6(100,25) 7(50,25) 8(0,25) 9(-50,25) 10(-100,25)
  Top Layer pour cut-out: -100,25 -100,-25 100,-25 100,25
TP_SMD_D1.5mm [mm] "Test point - pad 1.5mm"
  round 1.5 smd paste-5: 1(0,0)
  body extent -0.75,-0.75 0.75,0.75, height 0.05
TSSOP6 [mm] "TSSOP6 (SOT-363)"
  rect 0.6x0.6 smd: 1(-0.75,-0.9) 3(0.75,-0.9) 4(0.75,0.9) 6(-0.75,0.9)
  rect 0.4x0.6 smd: 2(0,-0.9) 5(0,0.9)
  silkscreen extent -1.47,-1.07 1,0.45, body extent -1,-1.05 1,1.05, height 0.93
WEE_3x4.5mm [mm]
  silkscreen extent -1.47,-2.7 1.47,1.71
XFDFN40P180X120X40-8M [mm] "QFN, 8-Leads, Body 1.80x1.20mm, Pitch 0.40mm, IPC Low Density"
  oval 0.85x0.25 smd: 1(-0.625,0.6) 2(-0.625,0.2) 3(-0.625,-0.2) 4(-0.625,-0.6) 5(0.625,-0.6) 6(0.625,-0.2) 7(0.625,0.2) 8(0.625,0.6)
  silkscreen extent -1.02,-0.92 0.63,1.32, body extent -0.63,-0.92 0.63,0.92, height 0.4
XQFN40P180X260X50-16N [mm] "QFN, 16-Leads, Body 1.80x2.60mm, Pitch 0.40mm, IPC Medium Density"
  oval 0.65x0.22 smd paste-0.02 mask+0.04: 1(-0.825,0.6) 2(-0.825,0.2) 3(-0.825,-0.2) 4(-0.825,-0.6) 9(0.825,-0.6) 10(0.825,-0.2) 11(0.825,0.2) 12(0.825,0.6)
  oval 0.22x0.65 smd paste-0.02 mask+0.04: 5(-0.6,-1.225) 6(-0.2,-1.225) 7(0.2,-1.225) 8(0.6,-1.225) 13(0.6,1.225) 14(0.2,1.225) 15(-0.2,1.225) 16(-0.6,1.225)
  silkscreen extent -1.45,-1.4 1,1.4, body extent -0.91,-1.31 0.91,1.31, height 0.55
XTAL_2012 [mm] "XTAL SMD 2.0 x 1.2 mm"
  rect 0.75x1.4 smd: 1(-0.725,0) 2(0.725,0)
  silkscreen extent -0.17,-0.6 0.17,0.6, body extent -1,-0.61 1,0.61, height 0.6

## Part data
C1 C2: library part C0201-2µ2-2.5V-X6T-GRM033D80E225ME47D, "Capacitor, Ceramic, 2.2µF 2.5V X6T 0201,±20%", Manufacturer=Murata, Manufacturer Part Number=GRM033R61A225KE47, Part number IPS=N.A., Part number NEMS=100200527, Supplier Part Number 1=81-GRM033D80E225ME7D, Artikkelnr Noca=N.A., Author=stl1, Component Class=Capacitors, Component Status=Active, ComponentLink1Description=Datasheet, ComponentLink1URL=https://www.murata.com/products/productdetail?partno=GRM033D80E225ME47%23, ComponentLink2Description="Supplier link", ComponentLink2URL=N.A., Footprint Doc=0201, HelpURL=N.A., LatestRevisionDate=2022-02-27, Note="2.5V, 20%, X6T", Pad Count=2, Part Number=C0201-2µ2-2.5V-X6T-GRM033D80E225ME47D, Part number Norautron=N.A., PartId=100200527, Published=2022-02-27, Supplier 1=Mouser, Supplier 2=Digi-Key, Supplier Part Number 2=490-18653-1-ND
C3 C10: library part C0402-10µF-6.3V-X6S, "Capacitor, X6S, ±20%, 6.3V", Manufacturer=N.A., Part number NEMS=100200478, Artikkelnr Noca=N.A., Author=getr, Component Class=Capacitors, Component Status=Active, ComponentLink1Description=Datasheet, ComponentLink1URL=N.A., ComponentLink2Description="Supplier link", ComponentLink2URL=N.A., Footprint Doc=0402, HelpURL=N.A., LatestRevisionDate=2021-06-25, Manufacturer Part Number=N.A., Note=6.3V, Pad Count=2, Part Number=C0402-10µF-6.3V-X6S, Part number IPS=N.A., Part number Norautron=N.A., PartId=100200478, Published=2021-06-25, Supplier 1=N.A., Supplier 2=N.A., Supplier Part Number 1=N.A., Supplier Part Number 2=N.A.
C4 C7 C8 C11 C13 C14 C15 C16 C18 C20 C21 C22 C29 C34 C35 C36 C37 C44 C46 C48 C49 C52 C53 C55 C56: library part C0201-100n, "Capacitor, X5R, ±10%", Manufacturer=N.A., Part number IPS="00000001248, 00000002505", Part number NEMS=100200078, Part number Norautron=262071862, Artikkelnr Noca=N.A., Author=rsk, Component Class=Capacitors, Component Status=Active, ComponentLink1Description=Datasheet, ComponentLink1URL=N.A., ComponentLink2Description="Supplier link", ComponentLink2URL=N.A., Footprint Doc=0201, HelpURL=N.A., LatestRevisionDate=2017-11-09, Manufacturer Part Number=N.A., Note=16V, Pad Count=2, Part Number=C0201-100n, PartId=100200078, Published=2014-11-13, Supplier 1=N.A., Supplier 2=N.A., Supplier Part Number 1=N.A., Supplier Part Number 2=N.A.
  C56: Assembly="Not Mounted"
C5: library part C0201-18p, "Capacitor, C0G, ±5%, 25V", Manufacturer="Walsin Technology Corporation", Manufacturer Part Number=0201N180J250CT, Part number IPS=00000000862, Part number NEMS=100200035, Part number Norautron=26207023, Supplier Part Number 1=N.A., Artikkelnr Noca=N.A., Author=rsk, Component Class=Capacitors, Component Status=Active, ComponentLink1Description=Datasheet, ComponentLink1URL=N.A., ComponentLink2Description="Supplier link", ComponentLink2URL=N.A., Footprint Doc=0201, HelpURL=N.A., LatestRevisionDate=2020-10-13, Note="Chip Cap 5%", Pad Count=2, Part Number=C0201-18p, PartId=100200035, Published=2014-11-13, Supplier 1=N.A., Supplier 2=N.A., Supplier Part Number 2=N.A.
C6: library part C0201-0p9-GJM0335C1ER90BB01, "Capacitor, C0G, ±0.1pF, 25V", Manufacturer=Murata, Manufacturer Part Number=GJM0335C1ER90BB01D, Part number IPS=N.A., Supplier Part Number 1=490-11185-2-ND, Artikkelnr Noca=N.A., Author=stl1, Component Class=Capacitors, Component Status=Active, ComponentLink1Description=Datasheet, ComponentLink1URL=N.A., ComponentLink2Description="Supplier link", ComponentLink2URL=N.A., Footprint Doc=0201, HelpURL=https://www.murata.com/products/productdetail?partno=GJM0335C1ER90BB01%23, LatestRevisionDate=2024-06-19, Note="±0.1pF, -55°C ~ 125°C", Pad Count=2, Part Number=C0201-0p9-GJM0335C1ER90BB01, Part number Norautron=N.A., PartId=100200663, Published=2024-06-19, Supplier 1=Digi-Key, Supplier 2=Mouser, Supplier Part Number 2=81-GJM0335C1ER90BB1D
C9: library part C0201-0.6p-25V-GJM0335C1ER60BB01, "Capacitor, C0G, ±0.1pF, 25V", Manufacturer=Murata, Manufacturer Part Number=GJM0335C1ER60BB01, Part number IPS=N.A., Part number NEMS=100200648, Supplier Part Number 1=490-6070-2-ND, Artikkelnr Noca=N.A., Author=masi, Component Class=Capacitors, Component Status=Active, ComponentLink1Description=Datasheet, ComponentLink1URL=https://www.murata.com/en-eu/products/productdetail?partno=GJM0335C1ER60BB01%23, ComponentLink2Description="Supplier link", ComponentLink2URL=N.A., Footprint Doc=0201, HelpURL=N.A., LatestRevisionDate=2024-01-10, Note=25V, Pad Count=2, Part Number=C0201-0.6p-25V-GJM0335C1ER60BB01, Part number Norautron=N.A., PartId=100200648, Published=2024-01-10, Supplier 1=Digi-Key, Supplier 2=Mouser, Supplier Part Number 2=81-GJM0335C1ER60BB1D
C12 C30 C50: library part C0201-10n, "Capacitor, X7R, ±10%", Manufacturer=N.A., Part number IPS=00000003480, Part number NEMS=100200067, Part number Norautron=26621779, Artikkelnr Noca=N.A., Author=rsk, Component Class=Capacitors, Component Status=Active, ComponentLink1Description=Datasheet, ComponentLink1URL=N.A., ComponentLink2Description="Supplier link", ComponentLink2URL=N.A., Footprint Doc=0201, HelpURL=N.A., LatestRevisionDate=2017-11-09, Manufacturer Part Number=N.A., Note=10V, Pad Count=2, Part Number=C0201-10n, PartId=100200067, Published=2014-11-13, Supplier 1=N.A., Supplier 2=N.A., Supplier Part Number 1=N.A., Supplier Part Number 2=N.A.
  C50: Assembly="Not Mounted"
C17 C19: library part C0402-300p, "Capacitor, C0G, ±5%, 50V", Manufacturer=N.A., Part number IPS=00000007788, Part number NEMS=100200155, Supplier Part Number 1=490-3234-1-ND, Artikkelnr Noca=20020004, Author=rsk, Component Class=Capacitors, Component Status=Active, ComponentLink1Description=Datasheet, ComponentLink1URL=N.A., ComponentLink2Description="Supplier link", ComponentLink2URL=N.A., Footprint Doc=0402, HelpURL=N.A., LatestRevisionDate=2020-10-13, Manufacturer Part Number=N.A., Note=50V, Pad Count=2, Part Number=C0402-300p, Part number Norautron=N.A., PartId=100200155, Published=2015-05-29, Supplier 1=Digi-Key, Supplier 2=N.A., Supplier Part Number 2=N.A.
C23: library part C0402-2µ2-10V, "Capacitor, X5R, ±10%", Manufacturer=N.A., Part number NEMS=100200376, Supplier Part Number 1=490-10451-1-ND, Artikkelnr Noca=N.A., Author=rsk, Component Class=Capacitors, Component Status=Active, ComponentLink1Description=Datasheet, ComponentLink1URL=N.A., ComponentLink2Description="Supplier link", ComponentLink2URL=N.A., Footprint Doc=0402, HelpURL=N.A., LatestRevisionDate=2020-10-13, Manufacturer Part Number=N.A., Note=10V, Pad Count=2, Part Number=C0402-2µ2-10V, Part number IPS=N.A., Part number Norautron=N.A., PartId=100200376, Published=2016-08-22, Supplier 1=Digi-Key, Supplier 2=N.A., Supplier Part Number 2=N.A.
C24 C25 C26 C27 C28: library part C0603-10µ-10V-X7T-GRM188D71A106MA73, "Capacitor, X7T, ±20%, 10V", Manufacturer=Murata, Manufacturer Part Number=GRM188D71A106MA73, Part number IPS=00000004696, Part number NEMS=100200414, Part number Norautron=N.A., Supplier Part Number 1=490-7200-1-ND, Artikkelnr Noca=N.A., Author=rsk, Component Class=Capacitors, Component Status=Active, ComponentLink1Description=Datasheet, ComponentLink1URL=N.A., ComponentLink2Description="Supplier link", ComponentLink2URL=N.A., Footprint Doc=0603, HelpURL=https://no.mouser.com/datasheet/2/281/murata_03052018_GRM_Series_1-1310166.pdf, LatestRevisionDate=2021-07-22, Note=10VDC, Pad Count=2, Part Number=C0603-10µ-10V-X7T-GRM188D71A106MA73, PartId=100200414, Published=2018-09-11, Supplier 1=Digi-Key, Supplier 2=Mouser, Supplier Part Number 2=81-GRM188D71A106MA3D
C31 C32 C38 C39 C45: library part C0402-1µ0-6.3V-X5R-10%, "Capacitor, X5R, ±10%, 6.3V", Manufacturer=N.A., Part number NEMS=100200498, Part number Norautron=26207137, Artikkelnr Noca=N.A., Author=rubr, Component Class=Capacitors, Component Status=Active, ComponentLink1Description=Datasheet, ComponentLink1URL=N.A., ComponentLink2Description="Supplier link", ComponentLink2URL=N.A., Footprint Doc=0402, HelpURL=N.A., LatestRevisionDate=2022-01-27, Manufacturer Part Number=N.A., Note=6.3V, Pad Count=2, Part Number=C0402-1µ0-6.3V-X5R-10%, Part number IPS=N.A., PartId=100200498, Published=2022-01-27, Supplier 1=N.A., Supplier 2=N.A., Supplier Part Number 1=N.A., Supplier Part Number 2=N.A.
C33: library part C0201-2n2, "Capacitor, X7R, ±10%, 10V", Manufacturer=N.A., Part number IPS=00000001778, Part number NEMS=100200060, Part number Norautron=26470002, Artikkelnr Noca=N.A., Author=rsk, Component Class=Capacitors, Component Status=Active, ComponentLink1Description=Datasheet, ComponentLink1URL=N.A., ComponentLink2Description="Supplier link", ComponentLink2URL=N.A., Footprint Doc=0201, HelpURL=N.A., LatestRevisionDate=2014-11-13, Manufacturer Part Number=N.A., Note=10V, Pad Count=2, Part Number=C0201-2n2, PartId=100200060, Published=2014-11-13, Supplier 1=N.A., Supplier 2=N.A., Supplier Part Number 1=N.A., Supplier Part Number 2=N.A.
C40: library part C0201-1.4p-25V-GJM0335C1E1R4WB01D, "Capacitor, C0G, ±0.05pF, 25V", Manufacturer=Murata, Manufacturer Part Number=GJM0335C1E1R4WB01D, Part number IPS=N.A., Part number NEMS=100200553, Supplier Part Number 1=490-GJM0335C1E1R4WB01DTR-ND, Artikkelnr Noca=N.A., Author=stl1, Component Class=Capacitors, Component Status=Active, ComponentLink1Description=Datasheet, ComponentLink1URL=https://www.murata.com/products/productdetail?partno=GJM0335C1E1R4WB01%23, ComponentLink2Description="Supplier link", ComponentLink2URL=N.A., Footprint Doc=0201, HelpURL=N.A., LatestRevisionDate=2023-05-30, Note=25V, Pad Count=2, Part Number=C0201-1.4p-25V-GJM0335C1E1R4WB01D, Part number Norautron=N.A., PartId=100200553, Published=2023-05-30, Supplier 1=Digi-Key, Supplier 2=Mouser, Supplier Part Number 2=81-GJM0335C1E1R4WB1D
C41: library part C0402-100n, "Capacitor, X7R, ±10%", Manufacturer=N.A., Part number IPS=00000005296, Part number NEMS=100200184, Artikkelnr Noca=20039200, Assembly="Not Mounted", Author=rsk, Component Class=Capacitors, Component Status=Active, ComponentLink1Description=Datasheet, ComponentLink1URL=N.A., ComponentLink2Description="Supplier link", ComponentLink2URL=N.A., Footprint Doc=0402, HelpURL=N.A., LatestRevisionDate=2009-11-23, Manufacturer Part Number=N.A., Note=16V, Pad Count=2, Part Number=C0402-100n, Part number Norautron=N.A., PartId=100200184, Published=2009-05-08, Supplier 1=N.A., Supplier 2=N.A., Supplier Part Number 1=N.A., Supplier Part Number 2=N.A.